# Altium PCB MODULE_2x1G_DUAL_MEDIA_V1.0.PcbDoc (part 3 of 3)
Units mm, origin at the board's own origin, x right, y up, seen from the top; angles counter-clockwise.
Board outline 87.3 x 95.5 mm, 4 copper layers (Top Layer, Int1 (GND), Int2 (PWR), Bottom Layer), stack 1.369 mm thick; 176 components, 128 nets, 819 pads, 303 vias.
Unrouted connection lines stored in the file: 38.
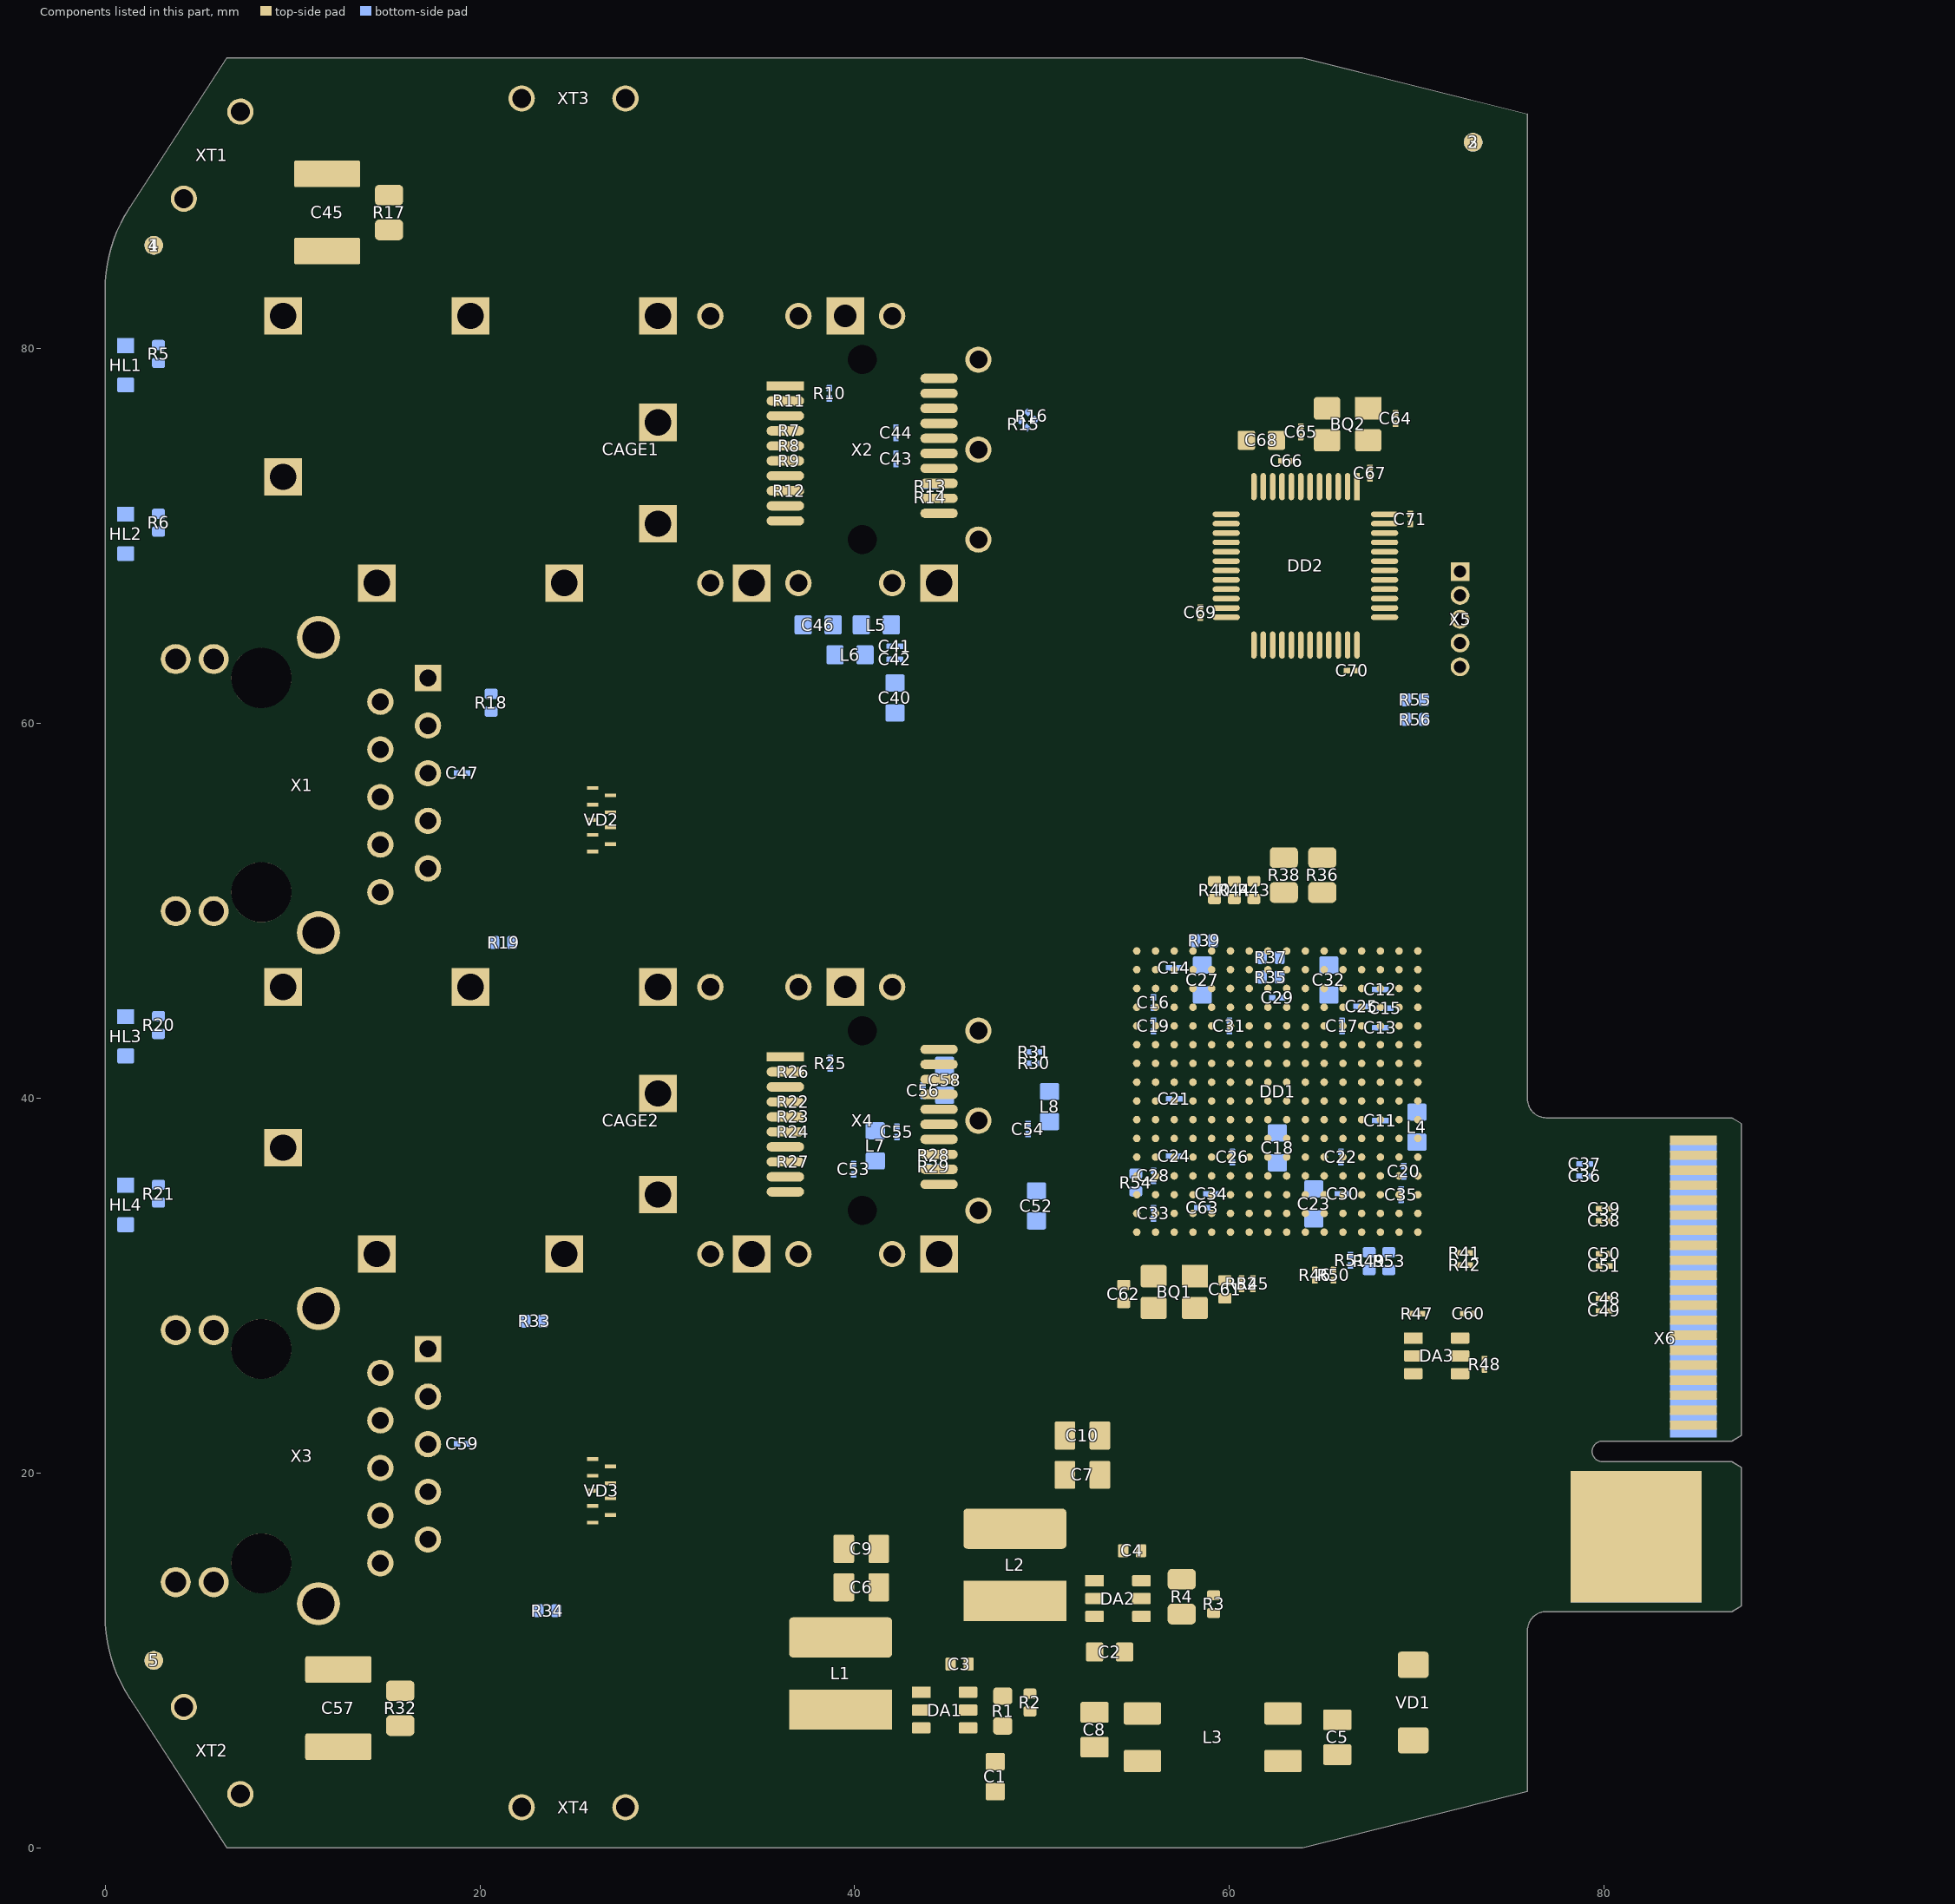
[diagram p5: the components of this part, seen from the top]

## Polygon pours and split planes (outlines as drawn) (continued)
+3V3 on Int2 (PWR) (split plane): 28.948,90.704 27.396,89.152 20.05,89.152 19.985,89.144 19.924,89.118 19.894,89.096 19.872,89.078 12.872,82.078 12.832,82.026 12.806,81.965 12.798,81.9 12.798,13.35 12.806,13.285 12.832,13.224 12.872,13.172 19.622,6.422 19.674,6.382 19.735,6.356 19.8,6.348 27.496,6.348 29.298,4.546 29.298,0.51 6.777,0.51 1.719,8.3 1.717,8.302 1.715,8.305 1.714,8.307 1.574,8.527 1.393,8.847 1.228,9.176 1.079,9.512 0.946,9.855 0.831,10.204 0.733,10.558 0.652,10.917 0.589,11.28 0.544,11.645 0.517,12.011 0.509,12.361 0.51,12.379 0.51,83.121 0.509,83.139 0.517,83.489 0.544,83.855 0.589,84.22 0.652,84.583 0.733,84.942 0.831,85.296 0.946,85.645 1.079,85.988 1.228,86.324 1.393,86.653 1.574,86.973 1.714,87.193 1.715,87.195 1.717,87.198 1.719,87.2 6.777,94.99 28.948,94.99
+3V3 on Int2 (PWR) (split plane): 75.39,92.101 75.39,39.95 75.39,39.948 75.399,39.781 75.427,39.614 75.474,39.451 75.539,39.295 75.621,39.146 75.719,39.008 75.832,38.882 75.958,38.769 76.096,38.671 76.245,38.589 76.401,38.524 76.564,38.477 76.731,38.449 76.857,38.442 76.864,38.441 76.874,38.441 76.898,38.44 76.9,38.44 86.659,38.44 86.79,38.361 86.79,22.289 86.659,22.21 79.9,22.21 79.894,22.21 79.762,22.201 79.626,22.174 79.494,22.13 79.37,22.068 79.255,21.991 79.15,21.9 79.059,21.795 78.982,21.68 78.92,21.556 78.876,21.424 78.849,21.288 78.84,21.15 78.849,21.012 78.876,20.876 78.92,20.744 78.982,20.62 79.059,20.505 79.15,20.4 79.255,20.309 79.37,20.232 79.494,20.17 79.626,20.126 79.762,20.099 79.894,20.09 79.9,20.09 86.659,20.09 86.79,20.011 86.79,13.189 86.659,13.11 76.9,13.11 76.898,13.11 76.731,13.101 76.564,13.073 76.401,13.026 76.245,12.961 76.096,12.879 75.958,12.781 75.832,12.668 75.719,12.542 75.621,12.404 75.539,12.255 75.474,12.099 75.427,11.936 75.399,11.769 75.39,11.602 75.39,11.6 75.39,3.399 63.837,0.51 29.802,0.51 29.802,4.65 29.794,4.715 29.768,4.776 29.728,4.828 27.778,6.778 27.726,6.818 27.665,6.844 27.6,6.852 19.904,6.852 13.302,13.454 13.302,81.796 20.154,88.648 27.5,88.648 27.565,88.656 27.626,88.682 27.678,88.722 29.378,90.422 29.396,90.444 29.418,90.474 29.444,90.535 29.452,90.6 29.452,94.99 63.837,94.99
+1V2 on Int2 (PWR) (split plane): 66.378,45.078 66.411,45.056 66.45,45.048 70.008,45.048 71.348,43.708 71.348,37.892 70.108,36.652 68.45,36.652 68.411,36.644 68.378,36.622 67.758,36.002 65.3,36.002 65.261,35.994 65.228,35.972 64.428,35.172 64.406,35.139 64.398,35.1 64.398,31.142 56.358,23.102 54.25,23.102 54.211,23.094 54.178,23.072 50.308,19.202 49.692,19.202 49.452,19.442 49.452,23.058 58.822,32.428 58.844,32.461 58.852,32.5 58.852,35.45 58.844,35.489 58.822,35.522 58.152,36.192 58.152,37.748 68.6,37.748 68.639,37.756 68.672,37.778 69.122,38.228 69.144,38.261 69.152,38.3 69.152,43.396 69.144,43.435 69.122,43.468 68.668,43.922 68.635,43.944 68.596,43.952 58.392,43.952 58.152,44.192 58.152,45.748 59.758,45.748 60.628,44.878 60.661,44.856 60.7,44.848 61.7,44.848 61.739,44.856 61.772,44.878 62.842,45.948 65.508,45.948
VDD12A on Int2 (PWR) (split plane): 57.948,44.15 57.956,44.111 57.978,44.078 58.278,43.778 58.311,43.756 58.35,43.748 68.554,43.748 68.948,43.354 68.948,38.342 68.558,37.952 54.6,37.952 54.561,37.944 54.528,37.922 52.508,35.902 42.792,35.902 42.552,36.142 42.552,37.008 42.892,37.348 48.722,37.348 48.761,37.356 48.794,37.378 49.072,37.656 49.094,37.689 49.102,37.728 49.102,40.35 49.094,40.389 49.072,40.422 47.902,41.592 47.902,42.608 48.092,42.798 56.75,42.798 56.789,42.806 56.822,42.828 57.122,43.128 57.144,43.161 57.152,43.2 57.152,44.45 57.144,44.489 57.122,44.522 56.722,44.922 56.689,44.944 56.65,44.952 56.192,44.952 56.002,45.142 56.002,45.508 56.242,45.748 57.948,45.748

## Other copper
Top Layer:
  rectangle net +1V2: 49.45,19.15 51.687,22.75
  rectangle net +3V3: 37.4,10.95 39.55,16.7
  rectangle net GND: 40.9,13 43.05,16.8
  region net GND: 54.85,22.75 52.613,22.75 52.613,19.15 54.85,19.15
Int1 (GND) (plane layer: these items are gaps in the copper):
  lines w0.5: 29.2,95.5 29.2,90.6 27.5,88.9 20.05,88.9 13.05,81.9 13.05,13.35 19.8,6.6 27.6,6.6 29.55,4.65 29.55,0
Int2 (PWR) (plane layer: these items are gaps in the copper):
  lines w0.2: 58.05,37.85 58.05,36.15 58.75,35.45 58.75,32.5 49.35,23.1 49.35,19.4 49.65,19.1 50.35,19.1 54.25,23 56.4,23 64.5,31.1 64.5,35.1 65.3,35.9 67.8,35.9 68.45,36.55 70.15,36.55 71.45,37.85 71.45,43.75 70.05,45.15 66.8,45.15 66.45,45.15 65.55,46.05 62.8,46.05 61.7,44.95 60.7,44.95 59.8,45.85 58.05,45.85 ; 58.05,45.85 58.05,44.15 58.35,43.85 68.596,43.85 69.05,43.396 69.05,38.3 68.6,37.85 54.6,37.85 52.55,35.8 42.75,35.8 42.45,36.1 42.45,37.05 42.85,37.45 48.722,37.45 49,37.728 49,40.35 47.8,41.55 47.8,42.65 48.05,42.9 56.75,42.9 57.05,43.2 57.05,44.45 56.65,44.85 56.15,44.85 55.9,45.1 55.9,45.55 56.2,45.85 58.05,45.85
  lines w0.5: 29.2,95.5 29.2,90.6 27.5,88.9 20.05,88.9 13.05,81.9 13.05,13.35 19.8,6.6 27.6,6.6 29.55,4.65 29.55,0

## Silkscreen, mask and mechanical layers (free items; w line width, h text height)
Top Overlay:
  region: 57.6,90.65 42.9,90.65 42.9,84.65 57.6,84.65
  text "MODULE_2x1G_DUAL_MEDIA_V1.0" at 38,92.2 h1.2
Bottom Overlay:
  region: 58.9,90.1 44.2,90.1 44.2,84.1 58.9,84.1
  text "MODULE_2x1G_DUAL_MEDIA_V1.0" at 63.65,91.65 h1.2
Top Environment:
  lines w0.1: -2.2,10.935 ccw(c1.8,10.935) -1.555,8.756 ; -2.2,10.935 -2.2,84.565 ; -2.2,10.935 -0.2,10.935 ; -2.2,84.565 cw(c1.8,84.565) -1.555,86.744 ; -2.2,84.565 -0.2,84.565 ; -1.555,8.756 5.806,-2.579 ; -1.555,8.756 0.123,9.846 ; -1.555,86.744 5.806,98.079 ; -1.555,86.744 0.123,85.654 ; -0.2,10.935 ccw(c1.8,10.935) 0.123,9.846 ; -0.2,10.935 -0.2,84.565 ; -0.2,84.565 cw(c1.8,84.565) 0.123,85.654 ; 0.123,9.846 7.484,-1.489 ; 0.123,85.654 7.484,96.989 ; 5.806,-2.579 ccw(c9.161,-0.4) 9.161,-4.4 ; 5.806,-2.579 7.484,-1.489 ; 5.806,98.079 cw(c9.161,95.9) 9.161,99.9 ; 5.806,98.079 7.484,96.989 ; 7.484,-1.489 ccw(c9.161,-0.4) 9.161,-2.4 ; 7.484,96.989 cw(c9.161,95.9) 9.161,97.9 ; 9.161,-4.4 14.989,-4.4 ; 9.161,-4.4 9.161,-2.4 ; 9.161,-2.4 14.989,-2.4 ; 9.161,97.9 14.989,97.9 ; 9.161,97.9 9.161,99.9 ; 9.161,99.9 14.989,99.9 ; 14.989,-4.4 19.989,-4.4 19.989,-2.4 14.989,-2.4 ; 14.989,-4.4 14.989,-2.4 ; 14.989,97.9 19.989,97.9 19.989,99.9 14.989,99.9 ; 14.989,97.9 14.989,99.9
  text "h=17,1mm" at 33.65,-5.95 h4
Bottom Environment:
  text "h=3,25mm" at 33.4,-9.85 h4
Board:
  the board outline again, w0.1

## Text inside footprints (layer, text, board x,y; h text height)
X6: Fab Notes "Chamfer 0,45mm x 30° (both sides)" at 90.622,40.271 h1 r90; Fab Notes "Фаска 0,45mm x 30° (с обеих сторон)" at 89.552,40.331 h1 r90